# Altium PCB slave.PcbDoc (part 2 of 7) (continued)
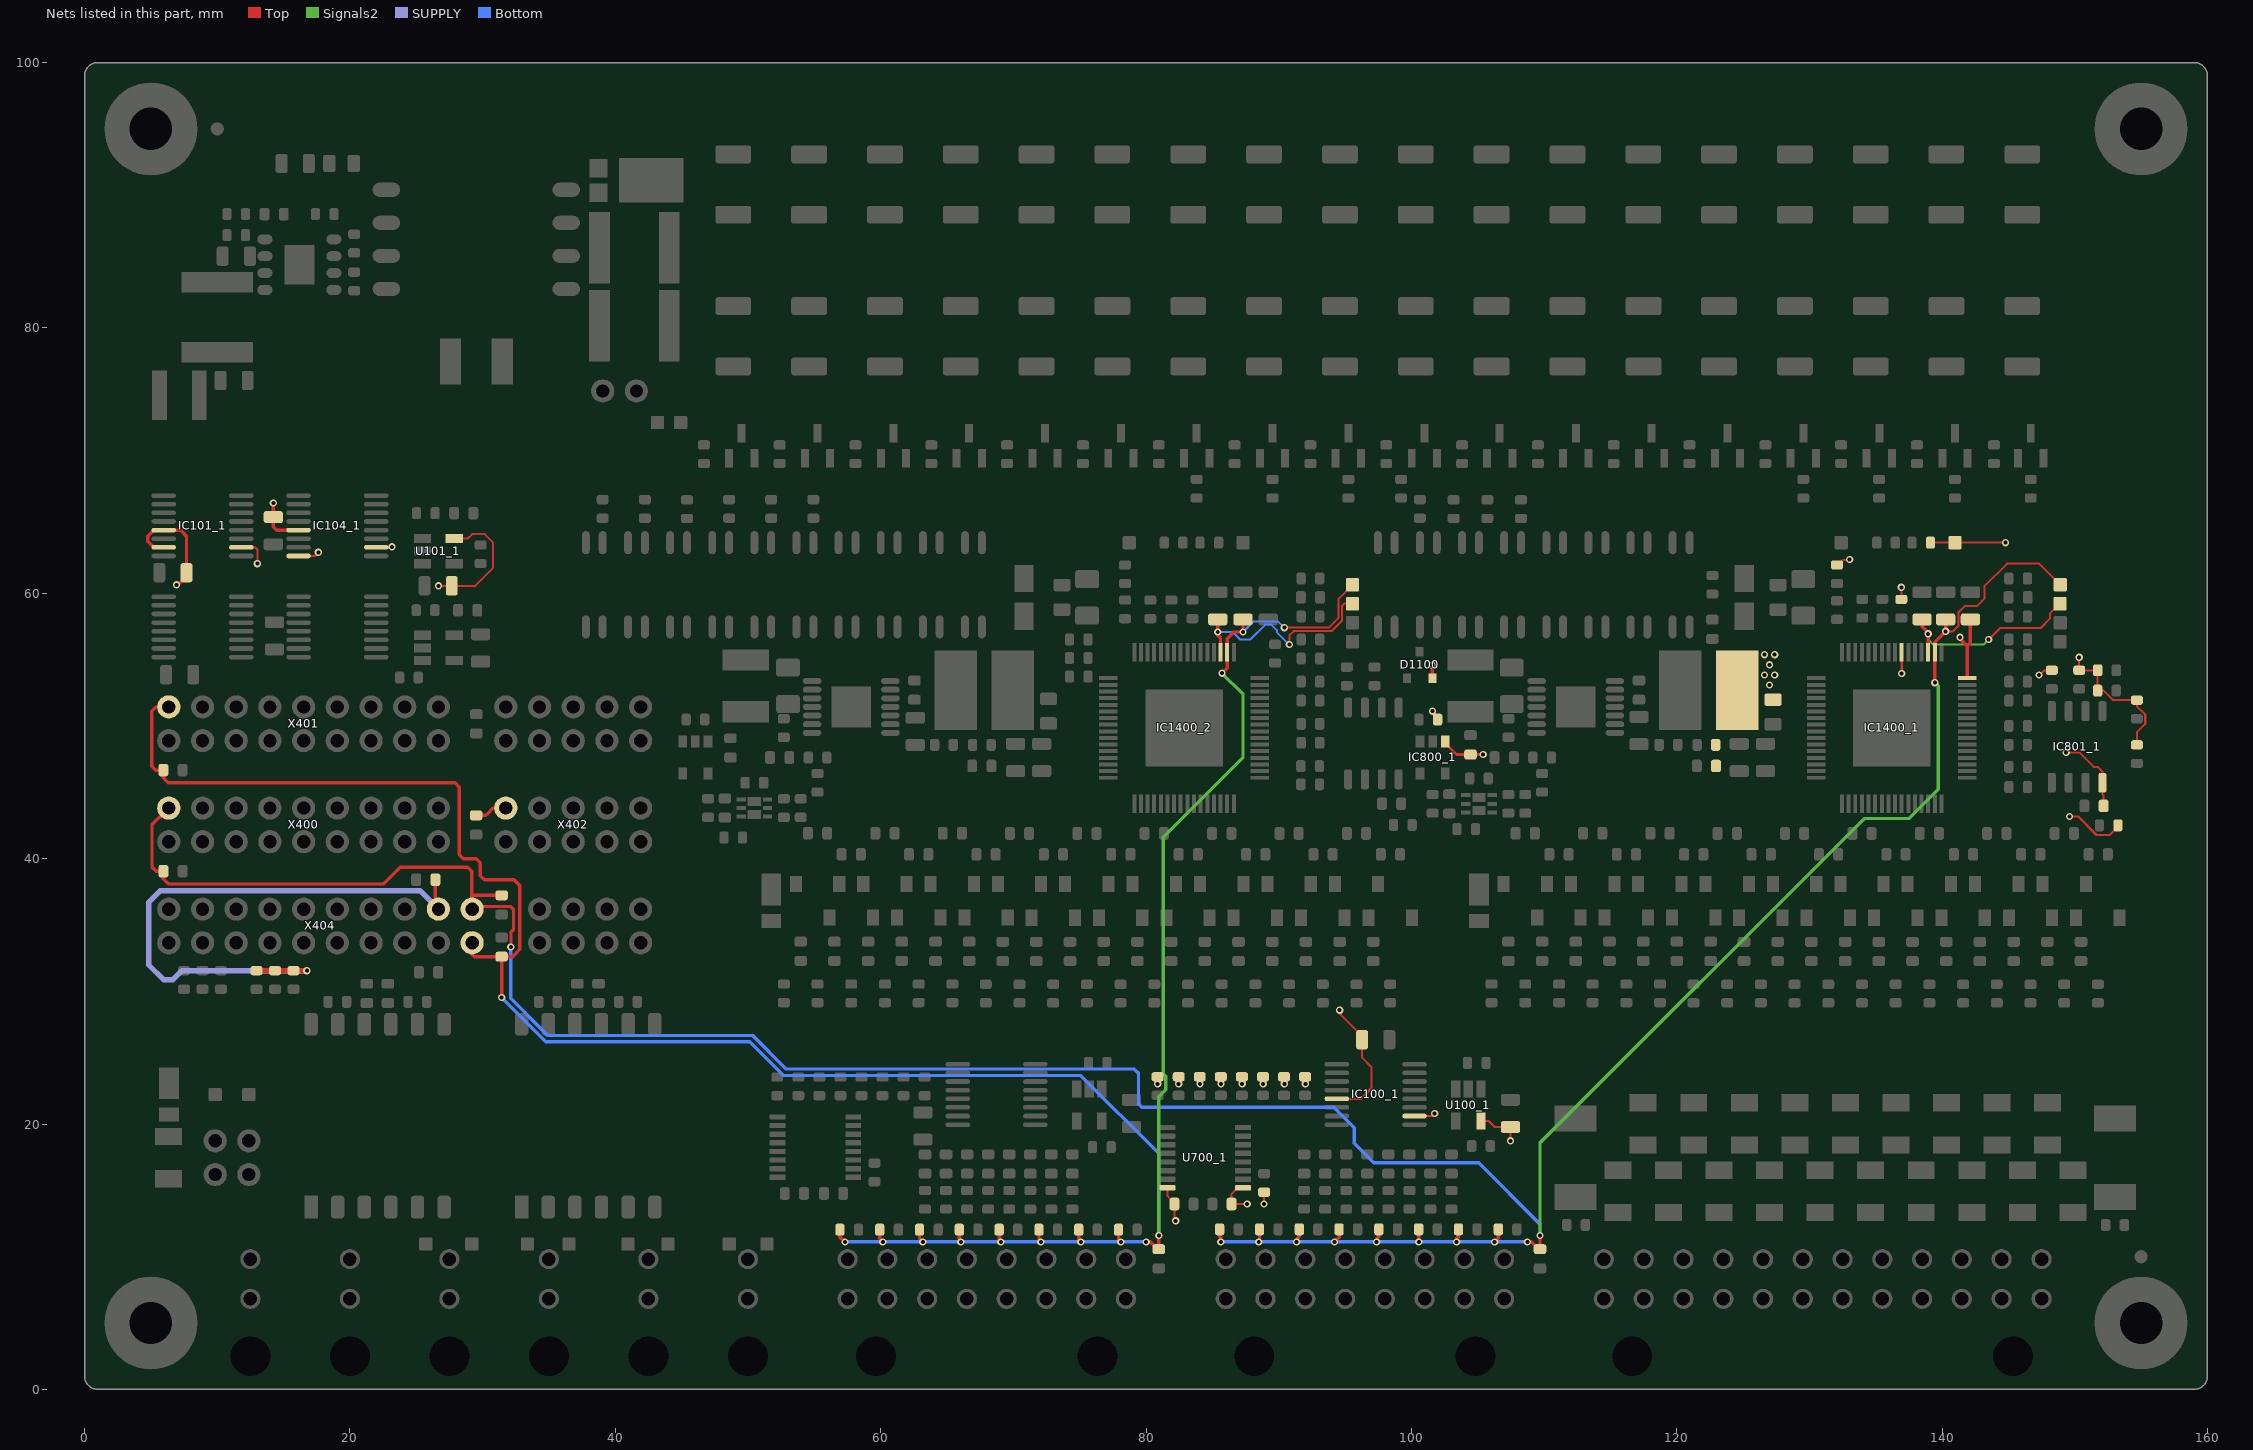
[diagram p6: the nets of this part, all layers, seen from the top]
## Part data (continued)
IC1400_1 IC1400_2: "18 Cell Multicell Battery Monitor, -40 to 125 degC, Pb-Free", Manufacturer="Linear Technology", Operating Temperature="-40°C - +125°C", PartNumber=LTC6811HG-1#PBF, PnP Package=QFP-64, Supplier Part Number 1=LTC6813HLWE-1#3ZZPBF-ND, Automotive Qualified=True, Battery Chemistry="Li-Ion, Li-Polymer, NiMH", ComponentLink1Description=Datasheet, ComponentLink1URL=http://www.linear.com/docs/59387, ComponentLink2Description=Datasheet, ComponentLink2URL=http://cds.linear.com/docs/en/datasheet/680412f.pdf, ComponentLink3Description="Package Specification", ComponentLink3URL=http://cds.linear.com/docs/en/packaging/05081887_0_G48.pdf, Mounting Technology="Surface Mount", Number of Cells="> 1000 V of stacked Li-Ion cells", PackageDescription="48-Pin Plastic SSOP, Body 12.8 x 5.3 mm, Pitch 0.5 mm", PackageReference=G-48, PackageVersion="Rev. Ã˜, 01/2011", Part Name=LTC6813HLWE-1#3ZZPBF, Part Number=LTC6813HLWE-1#3ZZPBF, RoHS=TRUE, Supplier 1=Digikey, Type of Charger="Battery Stack Monitor", Vin Max(V)=60
L600_1 L600_2: library part TYS6045221M-10, "Power Inductor", Manufacturer="Laird-Signal Integrity Products", Operating Temperature="-55°C - +150°C", Rated Current=590mA, Saturation Current=700mA, Supplier Part Number 1=240-2742-1-ND, Automotive Qualified=True, ComponentLink1Description=Datasheet, ComponentLink1URL=http://assets.lairdtech.com/home/brandworld/files/TYS6045221M-10.pdf, Inductance=220µH, Part Number=TYS6045221M-10, Supplier 1=Digikey
L900: library part CMP-1354-00028-1, "WE-LQS SMD Power Inductor, L=10 µH", Inductance="10 ÂµH", Manufacturer="Wuerth Elektronik", ComponentLink1Description="Manufacturer URL", ComponentLink1URL=http://www.we-online.com, ComponentLink2Description=Datasheet, ComponentLink2URL=http://katalog.we-online.de/pbs/datasheet/74404042100.pdf, PackageReference="WE-LQS 4018", PartNumber=74404042100
LD1400_1 LD1400_2: library part LED_0603_green_AECQ, "TLMG1100-GS08", Breakdown Voltage=5V, Continuous Forward Current=20mA, Forward Voltage @ 20mA=2.1V, Manufacturer=Vishay, Operating Temperature="-40°C - 100°C", PnP Package=LED_0603, Supplier Part Number 1=2293494, Automotive Qualified=True, Color=green, ComponentLink1Description=Datasheet, ComponentLink1URL=http://www.farnell.com/datasheets/2049164.pdf, Part Number=LED_0603_green_AECQ, Supplier 1=Farnell, Supplier 2=Digikey, Supplier Part Number 2=751-1165-1-ND
Q600_1 Q600_2: "Dual NPN/PNP Transistor", Manufacturer=Nexperia, Maximum Continous Drain Current (25°C)=1A, Maximum Drain-Source Voltage=120V, Operating Temperature="-55°C - +150°C", Part Name="DUAL PNP/NPN", Automotive Qualified=True, ComponentLink1Description=Datasheet, ComponentLink1URL=https://assets.nexperia.com/documents/data-sheet/PBSS4112PANP.pdf, Part Number=PBSS4112PANP, Supplier 2=Digikey, Supplier 3=Mouser, Supplier Part Number 2=1727-1068-1-ND, Supplier Part Number 3=771-PBSS4112PANP
R100_1 R100_2 R101_1 R101_2 R102_1 R102_2 R103_1 R103_2 R104_1 R104_2 R105_1 R105_2 R106_1 R106_2 R107_1 R107_2 R601_1 R601_2 R605_1 R605_2 R607_1 R607_2 R700_1 R700_2 R701_1 R701_2 R702_1 R702_2 R703_1 R703_2 R704_1 R704_2 R705_1 R705_2 R706_1 R706_2 R707_1 R707_2 R708_1 R708_2 R800_1 R800_2 R801_1 R801_2 R905 R1118 R1421_1 R1421_2 R1422_1 R1422_2 R1423_1 R1423_2 R1424_1 R1424_2 R1425_1 R1425_2 R1426_1 R1426_2 R1427_1 R1427_2: library part gen_R_10k_0603, "SMD Resistor 10k 0603", Case EIA=0603, Case Metric=1608, Maximum Working Voltage=75V, Operating Temperature="-55°C - +155°C", PnP Package=R_0603, Power=0.1W, Supplier Part Number 1=2073349, Tolerance=1%, Automotive Qualified=True, Part Number=gen_R_10k_0603, PnP Value=10k, Resistance=10k, Series="E24, E96", Supplier 1=Farnell
R108_1 R108_2 R109_1 R109_2 R112_1 R112_2 R113_1 R113_2 R114_1 R114_2 R115_1 R115_2 R116_1 R116_2 R117_1 R117_2 R118_1 R118_2 R119_1 R119_2: library part gen_R_100R_0603, "SMD Resistor 100R 0603", Case EIA=0603, Case Metric=1608, Maximum Working Voltage=75V, Operating Temperature="-55°C - +155°C", PnP Package=R_0603, Power=0.1W, Supplier Part Number 1=P100HCT-ND, Tolerance=1%, Automotive Qualified=True, Part Number=gen_R_100R_0603, PnP Value=100R, Resistance=100R, Series="E24, E96", Supplier 1=Digikey
R110_1 R110_2 R111_1 R111_2 R609_1 R609_2 R610_1 R610_2 R1406_1 R1406_2 R1407_1 R1407_2 R1408_1 R1408_2 R1409_1 R1409_2 R1410_1 R1410_2 R1411_1 R1411_2 R1412_1 R1412_2 R1413_1 R1413_2 R1414_1 R1414_2 R1415_1 R1415_2 R1416_1 R1416_2 R1417_1 R1417_2 SJ300 SJ301: library part gen_R_0R_0603, "SMD Resistor 0R 0603", Case EIA=0603, Case Metric=1608, Maximum Working Voltage=75V, Operating Temperature="-55°C - +155°C", PnP Package=R_0603, Power=0.1W, Supplier Part Number 1=2616580, Automotive Qualified=True, Part Number=gen_R_0R_0603, PnP Value=0R, Resistance=0R, Series=Jumper, Supplier 1=Farnell
R600_1 R600_2 R606_1 R606_2: library part gen_R_124k_0603, "SMD Resistor 124k 0603", Case EIA=0603, Case Metric=1608, Maximum Working Voltage=75V, Operating Temperature="-55°C - +155°C", PnP Package=R_0603, Power=0.1W, Supplier Part Number 1=2138508, Tolerance=1%, Automotive Qualified=True, Part Number=gen_R_124k_0603, PnP Value=124k, Resistance=124k, Series=E96, Supplier 1=Farnell
R602_1 R602_2: library part gen_R_1k5_0603, "SMD Resistor 1k5 0603", Case EIA=0603, Case Metric=1608, Maximum Working Voltage=75V, Operating Temperature="-55°C - +155°C", PnP Package=R_0603, Power=0.1W, Supplier Part Number 1=2616745, Tolerance=1%, Automotive Qualified=True, Part Number=gen_R_1k5_0603, PnP Value=1k5, Resistance=1k5, Series="E24, E96", Supplier 1=Farnell
R603_1 R603_2: library part gen_R_1k_0603, "SMD Resistor 1k 0603", Case EIA=0603, Case Metric=1608, Maximum Working Voltage=75V, Operating Temperature="-55°C - +155°C", PnP Package=R_0603, Power=0.1W, Supplier Part Number 1=1652848, Tolerance=1%, Automotive Qualified=True, Part Number=gen_R_1k_0603, PnP equipped=x, PnP Value=1k, Resistance=1k, Series="E24, E96", Supplier 1=Farnell
R604_1 R604_2: library part gen_R_1R_0805, "SMD Resistor 1R 0805", Case EIA=0805, Case Metric=2012, Maximum Working Voltage=150V, Operating Temperature="-55°C - +155°C", PnP Package=R_0805, Power=0.125W, Supplier Part Number 1=2616757, Tolerance=1%, Automotive Qualified=True, Part Number=gen_R_1R_0805, PnP Value=1R, Resistance=1R, Series="E24, E96", Supplier 1=Farnell
R608_1 R608_2: library part gen_R_68k_0603, "SMD Resistor 68k 0603", Case EIA=0603, Case Metric=1608, Maximum Working Voltage=75V, Operating Temperature="-55°C - +155°C", PnP Package=R_0603, Power=0.1W, Tolerance=1%, Automotive Qualified=False, Part Number=gen_R_68k_0603, PnP Value=68k, Resistance=68k, Series=E24
R900: library part gen_R_390k_0603, "SMD Resistor 390k 0603", Case EIA=0603, Case Metric=1608, Maximum Working Voltage=75V, Operating Temperature="-55°C - +155°C", PnP Package=R_0603, Power=0.1W, Supplier Part Number 1=2303278, Tolerance=1%, Automotive Qualified=True, Part Number=gen_R_390k_0603, PnP Value=390k, Resistance=390k, Series=E24, Supplier 1=Farnell
R901: library part gen_R_86k6_0603, "SMD Resistor 86k6 0603", Case EIA=0603, Case Metric=1608, Maximum Working Voltage=75V, Operating Temperature="-55°C - +155°C", PnP Package=R_0603, Power=0.1W, Supplier Part Number 1=2059490, Tolerance=1%, Automotive Qualified=True, Part Number=gen_R_86k6_0603, PnP Value=86k6, Resistance=86k6, Series=E96, Supplier 1=Farnell
R902: library part gen_R_115k_0603, "SMD Resistor 115k 0603", Case EIA=0603, Case Metric=1608, Maximum Working Voltage=75V, Operating Temperature="-55°C - +155°C", PnP Package=R_0603, Power=0.1W, Supplier Part Number 1=2073367, Tolerance=1%, Automotive Qualified=True, Part Number=gen_R_115k_0603, PnP Value=115k, Resistance=115k, Series=E96, Supplier 1=Farnell
R903: library part gen_R_39R_0805, "SMD Resistor 39R 0805", Case EIA=0805, Case Metric=2012, Maximum Working Voltage=150V, Operating Temperature="-55°C - +155°C", PnP Package=R_0805, Power=0.125W, Supplier Part Number 1=1750736, Tolerance=1%, Automotive Qualified=True, Part Number=gen_R_39R_0805, PnP Value=39R, Resistance=39R, Series=E24, Supplier 1=Farnell
R904: library part gen_R_220k_0603, "SMD Resistor 220k 0603", Case EIA=0603, Case Metric=1608, Maximum Working Voltage=75V, Operating Temperature="-55°C - +155°C", PnP Package=R_0603, Power=0.1W, Tolerance=1%, Automotive Qualified=False, Part Number=gen_R_220k_0603, PnP Value=220k, Resistance=220k, Series=E24
R1100 R1101 R1102 R1103 R1104 R1105 R1106 R1107 R1108 R1109 R1110 R1111 R1112 R1113 R1114 R1115 R1116 R1117: library part gen_R_150R_0603, "SMD Resistor 150R 0603", Case EIA=0603, Case Metric=1608, Maximum Working Voltage=75V, Operating Temperature="-55°C - +155°C", PnP Package=R_0603, Power=0.1W, Supplier Part Number 1=2303076, Tolerance=1%, Automotive Qualified=True, Part Number=gen_R_150R_0603, PnP Value=150R, Resistance=150R, Series="E24, E96", Supplier 1=Farnell
R1300_1 R1300_2 R1301_1 R1301_2 R1302_1 R1302_2 R1303_1 R1303_2 R1304_1 R1304_2 R1305_1 R1305_2 R1306_1 R1306_2 R1307_1 R1307_2 R1308_1 R1308_2 R1309_1 R1309_2 R1310_1 R1310_2 R1311_1 R1311_2 R1312_1 R1312_2 R1313_1 R1313_2 R1314_1 R1314_2 R1315_1 R1315_2 R1316_1 R1316_2 R1317_1 R1317_2 R1318_1 R1318_2: library part gen_R_100R_0603, "SMD Resistor 100R 0603", Case EIA=0603, Case Metric=1608, Maximum Working Voltage=75V, Operating Temperature="-55°C - +155°C", PnP Package=R_0603, Power=0.1W, Supplier Part Number 1=2303059, Tolerance=1%, Automotive Qualified=True, Part Number=gen_R_100R_0603, PnP Value=100R, Resistance=100R, Series="E24, E96", Supplier 1=Farnell
R1400_1 R1400_2 R1419_1 R1419_2 R1420_1 R1420_2: library part gen_R_1k2_0603, "SMD Resistor 1k2 0603", Case EIA=0603, Case Metric=1608, Maximum Working Voltage=75V, Operating Temperature="-55°C - +155°C", PnP Package=R_0603, Power=0.1W, Supplier Part Number 1=2073370, Tolerance=1%, Automotive Qualified=True, Part Number=gen_R_1k2_0603, PnP Value=1k2, Resistance=1k2, Series=E24, Supplier 1=Farnell
R1401_1 R1401_2: library part gen_R_100R_0805, "SMD Resistor 100R 0805", Case EIA=0805, Case Metric=2012, Maximum Working Voltage=150V, Operating Temperature="-55°C - +155°C", PnP Package=R_0805, Power=0.125W, Supplier Part Number 1=1469862, Tolerance=1%, Automotive Qualified=True, Part Number=gen_R_100R_0805, PnP Value=100R, Resistance=100R, Series="E24, E96", Supplier 1=Farnell
R1402_1 R1402_2: library part gen_R_820R_0603, "SMD Resistor 820R 0603", Case EIA=0603, Case Metric=1608, Maximum Working Voltage=75V, Operating Temperature="-55°C - +155°C", PnP Package=R_0603, Power=0.1W, Supplier Part Number 1=1469841, Tolerance=1%, Automotive Qualified=True, Part Number=gen_R_820R_0603, PnP Value=820R, Resistance=820R, Series=E24, Supplier 1=Farnell
R1403_1 R1403_2: library part gen_R_270R_0603, "SMD Resistor 270R 0603", Case EIA=0603, Case Metric=1608, Maximum Working Voltage=75V, Operating Temperature="-55°C - +155°C", PnP Package=R_0603, Power=0.1W, Supplier Part Number 1=2141320, Tolerance=1%, Automotive Qualified=True, Part Number=gen_R_270R_0603, PnP Value=270R, Resistance=270R, Series=E24, Supplier 1=Farnell
R1404_1 R1404_2: library part gen_R_1M_0603, "SMD Resistor 1M 0603", Case EIA=0603, Case Metric=1608, Maximum Working Voltage=75V, Operating Temperature="-55°C - +155°C", PnP Package=R_0603, Power=0.1W, Supplier Part Number 1=1469746, Tolerance=1%, Automotive Qualified=True, Part Number=gen_R_1M_0603, PnP Value=1M, Resistance=1M, Series="E24, E96", Supplier 1=Farnell
R1405_1 R1405_2 R1418_1 R1418_2: library part gen_R_120R_0603, "SMD Resistor 120R 0603", Case EIA=0603, Case Metric=1608, Maximum Working Voltage=75V, Operating Temperature="-55°C - +155°C", PnP Package=R_0603, Power=0.1W, Supplier Part Number 1=1652832, Tolerance=1%, Automotive Qualified=True, Part Number=gen_R_120R_0603, PnP Value=120R, Resistance=120R, Series=E24, Supplier 1=Farnell
R1500 R1501 R1502 R1503 R1504 R1505 R1506 R1507 R1508 R1509 R1510 R1511 R1518 R1519 R1520 R1521 R1522 R1523 R1524 R1525 R1526 R1527 R1528 R1529 R1536 R1537 R1538 R1539 R1540 R1541 R1542 R1543 R1544 R1545 R1546 R1547: library part gen_R_130R_2010, "SMD Resistor 130R 2010", Case EIA=2010, Case Metric=5025, Maximum Working Voltage=400V, Operating Temperature="-55°C - +155°C", PnP Package=R_2010, Power=0.75W, Supplier Part Number 1=1892735, Tolerance=5%, Automotive Qualified=True, Part Number=gen_R_130R_2010, PnP Value=130R, Resistance=130R, Series="E24, E96", Supplier 1=Farnell
R1512 R1513 R1514 R1515 R1516 R1517 R1530 R1531 R1532 R1533 R1534 R1535 R1548 R1549 R1550 R1551 R1552 R1553: library part gen_R_3k3_0603, "SMD Resistor 3k3 0603", Case EIA=0603, Case Metric=1608, Maximum Working Voltage=75V, Operating Temperature="-55°C - +155°C", PnP Package=R_0603, Power=0.1W, Supplier Part Number 1=2303173, Tolerance=1%, Automotive Qualified=True, Part Number=gen_R_3k3_0603, PnP Value=3k3, Resistance=3k3, Series=E24, Supplier 1=Farnell
T1500 T1501 T1502 T1503 T1504 T1505 T1506 T1507 T1508 T1509 T1510 T1511 T1512 T1513 T1514 T1515 T1516 T1517: library part CMP-1259-00090-1, "P-Channel Trench MOSFET, -20 V, -2 A, -55 to 150 degC, 3-Pin SOT23, Tape and Reel", Manufacturer="NXP Semiconductors", Automotive Qualified=Y, Channel Type=P, Code_JEDEC=TO-236AB, ComponentLink1Description="Manufacturer URL", ComponentLink1URL=http://www.nxp.com/, ComponentLink2Description=Datasheet, ComponentLink2URL=http://www.nxp.com/documents/data_sheet/NX2301P.pdf, ComponentLink3Description="Package Specification", ComponentLink3URL=http://www.nxp.com/documents/outline_drawing/sot023_po.pdf, DatasheetVersion="Rev. 1", ID [max] (A)=-2, IDM [max] (A)=-6, Mounting Technology="Surface Mount", PackageDescription="3-Pin Small Outline Transistor Package, Body 2.9 x 1.3 mm, Pitch 0.95 mm", PackageReference=SOT23, PackageVersion="06-03-16, 03/2006", Packing="Tape & Reel", PartNumber=NX2301P,215, VDS [max] (V)=-20, VGSth [typ] (V)=-0.75
TP900 TP901 TP902 TP903 TP1400_1 TP1400_2 TP1401_1 TP1401_2 TP1402_1 TP1402_2 TP1403_1 TP1403_2 TP1404_1 TP1404_2 TP1405_1 TP1405_2 TP1406_1 TP1406_2 TP1407_1 TP1407_2 TP1408_1 TP1408_2 TP1409_1 TP1409_2: "Testpoint, square", Part Number=Testpoint_Square
TR900: "MID-FLYLT Flyback Transformers for Linear Technology", Manufacturer="Würth Elektronik", Supplier Part Number 1=1297-1136-1-ND, Automotive Qualified=False, ComponentLink1Description=Datasheet, ComponentLink1URL=http://katalog.we-online.de/ctm/datasheet/750313457.pdf, ComponentLink2Description=Website, ComponentLink2URL=http://katalog.we-online.de/en/ctm/MID-FLYLT/750313457, Part Number=WE_750313457, Supplier 1=Digikey
TR1400_1 TR1400_2: "Pulse HM2102NL BMS Transformer", Manufacturer=Pulse, Operating Temperature="-40°C - +125°C", Supplier Part Number 1=673-HM2102NL, Automotive Qualified=True, ComponentLink1Description=Datasheet, ComponentLink1URL=https://www.mouser.com/ds/2/336/HM2102NL-1218600.pdf, Part Number=HM2102NL, Supplier 1=Mouser, Supplier 2=Digikey, Supplier Part Number 2=1840-1034-1-ND
U100_1 U100_2 U101_1 U101_2: library part CMP-0384-01512-2, "Single Channel RRIO Operational Amplifier, 2.5 MHz BW, 1 V/us SR, Industrial, 5-pin SOT23 (RJ-5), Reel", Amplifiers Per Package=1, Generic Part Number=AD8628, Input Bias Current=30pA, Input Offset Voltage=1uV, Manufacturer="Analog Devices", Automotive Qualified=Yes, Code_JEDEC=MO-178-AA, ComponentLink1Description="Manufacturer URL", ComponentLink1URL=http://www.analog.com/en/index.html, ComponentLink2Description=Datasheet, ComponentLink2URL=http://www.analog.com/static/imported-files/data_sheets/AD8628_8629_8630.pdf, ComponentLink3Description="Package Specification", ComponentLink3URL=http://www.analog.com/static/imported-files/packages/PKG_PDF/SOT-23(RJ)/RJ_5.pdf, ComponentLink4Description="Reference Circuit", ComponentLink4URL=http://www.analog.com/en/all-operational-amplifiers-op-amps/operational-amplifiers-op-amps/ad8628/products/product.html#product-recommendations, DatasheetVersion="Rev. I", Iq/Amp=1.1mA, Mounting Technology="Surface Mount", PackageDescription="5-Pin Small Outline Transistor Package, Body 2.9 x 1.6 mm, Pitch 0.95 mm", PackageReference=RJ-5, PackageVersion=121608-A, PartNumber=AD8628ARTZ-R2, RevisionNote="Reference Circuit URL fixed", Slew Rate=1V/us, Small Signal Bandwidth=2.5MHz, V Span Max=6V, V Span Min=2.7V
U600_1 U600_2: "Automotive DC/DC buck converter", Manufacturer="Texas Instruments", Operating Temperature="-40°C - +125°C", PnP Package=HTSSOP-14, Supplier Part Number 1=296-47791-1-ND, Automotive Qualified=True, Part Name=LM5161QPWPRQ1, Part Number=LM5161QPWPRQ1, Supplier 1=Digikey, Supplier 2=Mouser, Supplier Part Number 2=595-LM5161QPWPRQ1
U700_1 U700_2: library part CMP-0314-00338-2, "Low-Voltage 8-Bit I2C and SMBus I/O Expander, 1.65 to 5.5 V, -40 to 85 degC, 16-pin TSSOP (PW), Green (RoHS & no Sb/Br)", 5V Tolerant I/O=Yes, Manufacturer="Texas Instruments", Max Frequency(kHz)=400, # of I/Os=8, Code_JEDEC=MO-153, ComponentLink1Description=Datasheet, ComponentLink1URL=http://www.ti.com/general/docs/lit/getliterature.tsp?genericPartNumber=TCA6408A&fileType=pdf, Configuration Registers=Yes, DatasheetVersion=SCPS192C, Eco-Plan="Green (RoHS & no Sb/Br)", fSCLK(Max)(MHz)=400, I2C Address="0100 00x", Interrupt Output=Yes, Low Power=Yes, Mounting Technology="Surface Mount", No. of Outputs=8, PackageDescription="16-Pin Plastic Thin Small Outline Package 5 x 4.4 mm Body ,0.65 mm Pitch", PackageReference=PW0016A, PackageVersion="revG, Feb-2011", PartNumber=TCA6408APWR, Push-Pull I/O Type=Yes, Reset Input=Yes, SubFamily="I2C IO Expander", VCC(Max)(V)=5.5, VCC(Min)(V)=1.65, Vcc range(V)="1.65 to 5.5"
U1100 U1101 U1102 U1103 U1104 U1105 U1106 U1107 U1108 U1109 U1110 U1111 U1112 U1113 U1114 U1115 U1116 U1117: library part ACPL-217-56BE, "Optocoupler, Transistor Output, 1 Channel", Manufacturer="Broadcom Limited", Operating Temperature="-55°C - +110°C", Supplier Part Number 1=1602623, Automotive Qualified=False, ComponentLink1Description=Datenblatt, ComponentLink1URL=http://www.farnell.com/datasheets/45634.pdf, Part Name=ACPL-217, Part Number=ACPL-217-56BE, Supplier 1=Farnell
X200: "Micro-Fit 3.0 Right Angle Header, 3.00mm Pitch, Dual Row, 24 Circuits, with Snap-in Plastic Peg PCB Lock, Tin, Glow Wire Capable, Black, 43045-2400", Manufacturer=Molex, Operating Temperature="-40°C - +105°C", Part Name=MicroFit, Rated Current=8.5A, Rated Voltage=600V, Supplier Part Number 1=1012245, Automotive Qualified=False, Circuits=24, Part Number=molex_microfit_3_12x2_THT, Supplier 1=Farnell
X201 X202: "Micro-Fit 3.0 Right Angle Header, 3.00mm Pitch, Dual Row, 16 Circuits, with Snap-in Plastic Peg PCB Lock, Tin, Glow Wire Capable, Black, 43045-1600", Manufacturer=Molex, Operating Temperature="-40°C - +105°C", Part Name=MicroFit, Rated Current=8.5A, Rated Voltage=600V, Supplier Part Number 1=9961380, Automotive Qualified=False, Circuits=16, Part Number=molex_microfit_3_08x2_THT, Supplier 1=Farnell
X400 X401: "Standard Pinheader, THD, gerade, 2.54mm, 2-reihig", Operating Temperature="-40 °C - +105 °C", Part Name=PinHeader, Rated Current=3A, Rated Voltage=250V, Supplier Part Number 1=2025256, Automotive Qualified=False, Circuits=18, Part Number=gen_pinheader_2.54_2x9, Supplier 1=Farnell
X402 X403: "Standard Pinheader, THD, gerade, 2.54mm, 2-reihig", Operating Temperature="-40 °C - +105 °C", Part Name=PinHeader, Rated Current=3A, Rated Voltage=250V, Supplier Part Number 1=2578720, Automotive Qualified=False, Circuits=10, Part Number=gen_pinheader_2.54_2x5, Supplier 1=Farnell
X404: "Standard Pinheader, THD, gerade, 2.54mm, 2-reihig", Operating Temperature="-40 °C - +105 °C", Part Name=PinHeader, Rated Current=3A, Rated Voltage=250V, Supplier Part Number 1=2779676, Automotive Qualified=False, Circuits=20, Part Number=gen_pinheader_2.54_2x10, Supplier 1=Farnell
X405: "Standard Pinheader, THD, gerade, 2.54mm, 2-reihig", Operating Temperature="-40 °C - +105 °C", Part Name=PinHeader, Rated Current=3A, Rated Voltage=250V, Supplier Part Number 1=2856692, Automotive Qualified=False, Circuits=8, Part Number=gen_pinheader_2.54_2x4, Supplier 1=Farnell
X500 X501 X502 X503 X1001 X1002: "Micro-Fit 3.0 Right Angle Header, 3.00mm Pitch, Dual Row, 2 Circuits, with Snap-in Plastic Peg PCB Lock, Tin, Glow Wire Capable, Black, 43045-0200", Manufacturer=Molex, Operating Temperature="-40°C - +105°C", Part Name=MicroFit, Rated Current=8.5A, Rated Voltage=600V, Supplier Part Number 1=1012251, Automotive Qualified=False, Circuits=2, Part Number=molex_microfit_3_01x2_THT, Supplier 1=Farnell
X900: "Standard Pinheader, THD, gerade, 2.54mm", Operating Temperature="-40 °C - +105 °C", Part Name=PinHeader, Rated Current=3A, Rated Voltage=250V, Supplier Part Number 1=2025248, Automotive Qualified=False, Circuits=2, Part Number=gen_pinheader_2.54_2, Supplier 1=Farnell
X1000: "Board-To-Board Connector, Vertical, 2.54 mm, 4 Contacts, Header, TSW Series, Through Hole, 2 Rows", Manufacturer=Samtec, Operating Temperature="-55°C - +125°C", Part Name=TSW-102-07-G-D, Rated Voltage="500V AC mated with SSW", Supplier Part Number 1=2025248, Automotive Qualified=False, Circuits=4, ComponentLink1Description=Datasheet, ComponentLink1URL=http://www.farnell.com/datasheets/1992055.pdf, Part Number=samtec_TSW-102-07-G-D, Supplier 1=Farnell
Z1300_1 Z1300_2 Z1301_1 Z1301_2 Z1302_1 Z1302_2 Z1303_1 Z1303_2 Z1304_1 Z1304_2 Z1305_1 Z1305_2 Z1306_1 Z1306_2 Z1307_1 Z1307_2 Z1308_1 Z1308_2 Z1309_1 Z1309_2 Z1310_1 Z1310_2 Z1311_1 Z1311_2 Z1312_1 Z1312_2 Z1313_1 Z1313_2 Z1314_1 Z1314_2 Z1315_1 Z1315_2 Z1316_1 Z1316_2 Z1317_1 Z1317_2: library part CMP-1060-00434-1, "Zener Voltage Regulator, 500 mW, 2-Pin SOD-123, Pb-Free, Tape and Reel", Manufacturer="On Semiconductor", ComponentLink1Description="Manufacturer URL", ComponentLink1URL=http://www.onsemi.com/, ComponentLink2Description=Datasheet, ComponentLink2URL=http://www.onsemi.com/pub_link/Collateral/MMSZ4678T1-D.PDF, ComponentLink3Description="Package Specification", ComponentLink3URL=http://www.onsemi.com/pub_link/Collateral/425-04.PDF, DatasheetVersion="Rev. 9", Mounting Technology="Surface Mount", PackageDescription="2-Pin SOD, Body 1.6 x 2.69 mm", PackageReference=SOD-123-2-425-04, PackageVersion="Rev. G, 10/2009", Packing="Tape and Reel", PartNumber=MMSZ4692T1G, P Max (W)=0.5, RoHS=Pb-Free, VZ Typ (V)=6.8

## Via types
v1: diameter 0.55, hole 0.3, Top to Bottom, tented both sides, 2991 vias
v2: diameter 0.75, hole 0.5, Top to Bottom, tented both sides, 22 vias
v3: diameter 0.65, hole 0.4, Top to Bottom, tented both sides, 16 vias

## Nets (pads, with @x,y where several pads share a name; then routed paths per layer and width w, separated by ;. In a path a pad name is that pad's centre, name@x,y a point inside that pad or via, vN(x,y) a via of type N, cw(c..) or ccw(c..) an arc to the next point about the centre after c; other vN are vias at no path point)
+3.0V_VREF1_1: C1403_1.2 IC1400_1.51 TP1401_1.1 | length 14.6
  Top w0.152: v1(143.51,56.515) 144.369,57.373 147.417,57.373 148.128,58.085 148.128,58.455 TP1401_1.1@148.887,59.214
  Top w0.254: C1403_1.2@138.493,58.03 138.493,57.478 138.958,57.014 v1(138.958,56.94) IC1400_1.51@138.958,55.598
  Signals2 w0.152: v1(138.958,56.94) 138.958,56.515 139.343,56.129 143.124,56.129 v1(143.51,56.515)
+3.0V_VREF1_2: C1403_2.2 IC1400_2.51 TP1401_2.1 | length 16.5
  Top w0.152: v1(90.805,56.134) 90.805,56.832 91.123,57.15 93.98,57.15 94.774,57.944 94.774,59.055 94.932,59.214 TP1401_2.1@95.567,59.214
  Top w0.254: C1403_2.2@85.407,58.03 v1(85.407,57.083) 85.407,56.84 85.618,56.63 IC1400_2.51@85.618,55.547
  Bottom w0.152: v1(85.407,57.083) 86.528,57.083 87.083,56.529 87.879,56.529 88.988,57.638 89.447,57.638 89.87,57.215 89.87,57.069 v1(90.805,56.134)
+3.0V_VREF2_0: C100_1.2 C401.2 C405.2 C1402_1.2 IC1400_1.50 R100_1.2 R101_1.2 R102_1.2 R103_1.2 R104_1.2 R105_1.2 R106_1.2 R107_1.2 TP1402_1.1 X400.17 X404.1 | length 241.1
  Top w0.152: C100_1.2@109.596,10.567 C100_1.2@109.696,10.567 ; v1(140.272,57.13) 140.823,57.13 141.227,57.534 141.227,58.55 141.732,59.055 142.643,59.055 143.192,59.604 143.192,60.518 144.905,62.23 147.32,62.23 TP1402_1.1@148.907,60.642
  Top w0.254: C401.2@5.802,39.052 5.397,39.052 5.08,39.37 5.08,42.545 X400.17@6.35,43.815 ; C401.2@5.943,39.052 5.943,38.476 6.331,38.088 22.522,38.088 23.792,39.358 28.872,39.358 29.19,39.04 29.19,37.453 29.192,37.306 ; C405.2@31.432,37.237 29.261,37.237 29.192,37.306 ; v1(32.127,33.337) 32.136,33.347 32.136,34.448 32.329,34.641 32.329,36.169 32.107,36.391 29.21,36.391 X404.1@29.21,36.195 29.192,37.306 ; R100_1.2@85.553,12.061 85.553,11.509 85.64,11.422 v1(85.64,11.113) ; v1(88.497,11.113) 88.553,11.169 R101_1.2@88.553,12.061 ; v1(91.355,11.113) 91.355,11.311 91.553,11.509 R102_1.2@91.553,12.061 ; v1(94.212,11.113) 94.553,11.454 R103_1.2@94.553,12.061 ; v1(97.387,11.113) 97.387,11.343 97.553,11.509 R104_1.2@97.553,12.061 ; R105_1.2@100.553,12.061 100.553,11.123 v1(100.562,11.113) ; v1(103.42,11.113) 103.42,11.376 103.553,11.509 R106_1.2@103.553,12.061 ; v1(106.277,11.113) 106.553,11.389 R107_1.2@106.553,12.061 ; v1(108.744,11.112) 109.051,11.112 C100_1.2@109.596,10.567 ; C100_1.2@109.696,10.567 v1(109.696,11.589) ; v1(139.457,53.265) 139.457,56.316 v1(140.272,57.13) 140.272,57.936 C1402_1.2@140.017,58.19
  Signals2 w0.254: v1(109.696,11.589) 109.696,18.574 134.144,43.021 137.477,43.021 139.7,45.244 139.7,53.023 v1(139.457,53.265)
  Bottom w0.254: v1(32.127,33.337) 32.127,29.468 34.925,26.67 50.369,26.67 52.896,24.143 79.105,24.143 79.435,23.812 79.435,21.531 79.693,21.272 79.9,21.272 92.234,21.273 94.139,21.273 95.696,19.715 95.696,18.541 97.172,17.066 105.075,17.066 109.696,12.445 v1(109.696,11.589) ; v1(85.64,11.113) v1(88.497,11.113) v1(91.355,11.113) v1(94.212,11.113) v1(97.387,11.113) v1(100.562,11.113) v1(103.42,11.113) v1(106.277,11.113) v1@108.902,11.113 ; v1(108.744,11.112) v1@108.901,11.112
+3.0V_VREF2_1: C100_2.2 C400.2 C406.2 C1402_2.2 IC1400_2.50 R100_2.2 R101_2.2 R102_2.2 R103_2.2 R104_2.2 R105_2.2 R106_2.2 R107_2.2 TP1402_2.1 X401.17 X404.2 | length 209
  Top w0.152: C100_2.2@80.863,10.567 C100_2.2@80.962,10.567 ; v1(90.424,57.404) 93.769,57.404 94.52,58.154 94.52,59.595 TP1402_2.1@95.567,60.642
  Top w0.254: X401.17@6.35,51.435 5.377,51.423 5.06,51.105 5.06,46.978 5.365,46.672 C400.2@5.943,46.672 5.943,46.096 6.319,45.72 6.667,45.72 27.92,45.708 28.237,45.39 28.237,40.31 28.555,39.993 29.507,39.993 29.825,39.675 29.825,38.723 30.142,38.405 32.365,38.405 32.793,37.977 32.803,33.553 32.803,33.158 32.258,32.613 C406.2@31.432,32.613 ; X404.2@29.21,33.655 29.19,32.777 29.355,32.613 C406.2@31.432,32.613 ; v1(31.432,29.527) C406.2@31.432,32.613 ; R100_2.2@56.931,12.035 56.931,11.483 57.302,11.112 v1(57.309,11.112) ; R101_2.2@59.931,12.035 59.931,11.347 v1(60.166,11.112) ; R102_2.2@62.931,12.035 62.931,11.364 v1(63.182,11.112) ; R103_2.2@65.932,12.035 65.932,11.221 v1(66.04,11.112) ; R104_2.2@68.932,12.035 68.932,11.237 v1(69.056,11.112) ; R105_2.2@71.932,12.035 71.932,11.253 v1(72.072,11.112) ; R106_2.2@74.932,12.035 74.932,11.27 v1(75.089,11.112) ; R107_2.2@77.932,12.035 77.932,11.286 v1(78.105,11.112) ; v1(80.01,11.112) 80.318,11.112 C100_2.2@80.863,10.567 ; C100_2.2@80.962,10.567 v1(80.962,11.589) ; v1(85.725,53.975) 86.118,54.368 IC1400_2.50@86.118,55.547 86.118,56.577 86.624,57.083 v1(87.312,57.083) C1402_2.2@87.312,58.03
  Signals2 w0.254: v1(80.962,11.589) 80.962,22.057 81.483,22.577 81.483,23.61 81.29,23.803 81.29,41.602 87.312,47.625 87.312,52.387 v1(85.725,53.975)
  Bottom w0.152: v1(87.312,57.083) 88.121,57.892 89.936,57.892 v1(90.424,57.404)
  Bottom w0.254: v1(31.432,29.527) 34.756,26.204 50.144,26.204 52.694,23.654 75.089,23.654 80.962,17.78 v1(80.962,11.589) ; v1(57.309,11.112) v1(60.166,11.112) v1(63.182,11.112) v1(66.04,11.112) v1(69.056,11.112) v1(72.072,11.112) v1(75.089,11.112) v1(78.105,11.112) v1(80.01,11.112)
+5.0V_VREG_0: C101_1.2 C102_1.2 C103_1.2 C104_1.2 C105_1.2 C402.2 C404.2 C604_1.2 C700_1.2 C701_1.2 C800_1.2 C801_1.2 C1401_1.2 D1100.2 IC100_1.2 IC100_1.13 IC101_1.2 IC101_1.13 IC101_1.15 IC104_1.2 IC104_1.13 IC104_1.16 IC800_1.1 IC801_1.8 IC1400_1.48 IC1400_1.55 L600_1.2 LD1400_1.2 R602_1.1 R604_1.1 R700_1.2 R701_1.2 R702_1.2 R703_1.2 R704_1.2 R705_1.2 R706_1.2 R707_1.2 R708_1.1 R800_1.2 R801_1.2 R1404_1.2 R1407_1.2 R1419_1.2 R1420_1.2 R1421_1.2 R1422_1.2 R1423_1.2 R1424_1.2 R1425_1.2 R1426_1.2 R1427_1.2 TP1403_1.1 U100_1.5 U101_1.5 U700_1.1 U700_1.16 X402.9 X404.3 | length 145.6
  Top w0.152: IC101_1.2@11.786,63.462 12.861,63.462 13.018,63.305 v1(13.018,62.23) ; IC104_1.16@16.125,62.813 17.344,62.813 v1(17.621,63.09) ; IC104_1.2@21.946,63.462 23.139,63.462 v1(23.177,63.5) ; v1(26.67,60.567) C104_1.2@27.675,60.567 29.452,60.567 30.797,61.912 30.797,63.817 30.162,64.453 29.21,64.453 28.89,64.133 U101_1.5@27.87,64.133 ; v1(80.877,23.032) R707_1.2@80.877,23.561 R707_1.2@80.877,23.611 ; U700_1.16@81.605,15.188 81.605,14.607 82.143,14.07 C700_1.2@82.143,13.97 v1@82.143,12.79 ; v1(82.465,23.032) R706_1.2@82.465,23.561 R706_1.2@82.465,23.611 ; R705_1.2@84.052,23.561 84.052,23.052 v1(84.072,23.032) ; R705_1.2@84.052,23.611 84.072,23.591 R705_1.2@84.072,23.561 ; R704_1.2@85.64,23.561 85.64,23.052 v1(85.66,23.032) ; R704_1.2@85.64,23.611 85.66,23.591 R704_1.2@85.66,23.561 ; R703_1.2@87.227,23.561 87.227,23.052 v1(87.247,23.032) ; R703_1.2@87.227,23.611 87.247,23.591 R703_1.2@87.247,23.561 ; U700_1.1@87.305,15.188 86.905,15.188 86.45,14.733 C701_1.2@86.45,13.97 v1(87.63,13.97) ; R702_1.2@88.815,23.561 88.815,23.052 v1(88.835,23.032) ; R702_1.2@88.815,23.611 88.835,23.591 R702_1.2@88.835,23.561 ; v1(88.9,13.97) R708_1.1@88.9,14.857 ; R701_1.2@90.402,23.561 90.402,23.052 v1(90.422,23.032) ; R701_1.2@90.402,23.611 90.422,23.591 R701_1.2@90.422,23.561 ; R700_1.2@91.99,23.561 91.99,23.052 v1(92.01,23.032) ; R700_1.2@91.99,23.611 92.01,23.591 R700_1.2@92.01,23.561 ; IC100_1.13@94.389,21.9 96.185,21.9 96.996,22.711 96.996,24.289 96.289,24.996 C101_1.2@96.289,26.352 96.289,26.628 94.595,28.321 v1(94.595,28.575) ; IC100_1.2@100.239,20.6 101.563,20.6 v1(101.759,20.796) 101.759,20.637 v1@101.721,20.6 ; v1(101.6,51.117) 101.6,51.01 101.577,50.988 101.982,50.582 R800_1.2@101.982,50.482 ; U100_1.5@105.249,20.231 105.816,20.231 106.276,19.771 C103_1.2@107.474,19.771 v1(107.474,18.732) ; R1407_1.2@132.08,62.136 132.18,62.136 132.551,62.507 132.992,62.507 v1(133.032,62.547) ; R1404_1.2@136.93,59.537 v1(136.93,60.452) ; LD1400_1.2@139.18,63.817 TP1403_1.1@140.97,63.817 v1(144.78,63.817) ; v1(147.3,53.848) 147.37,53.848 147.721,54.199 R1419_1.2@148.273,54.199 ; v1(149.352,48.006) 150.348,48.006 151.429,46.925 151.728,46.925 152.082,46.57 IC801_1.8@152.082,45.719 152.082,44.867 152.172,44.777 C800_1.2@152.172,43.974 ; v1(149.606,43.18) 150.243,43.18 151.64,41.783 152.628,41.783 153.259,42.413 R801_1.2@153.259,42.513 ; v1(150.336,55.178) R1420_1.2@150.336,54.199 R1424_1.2@151.732,54.199 R1423_1.2@151.732,52.665 152.183,52.665 152.604,52.244 152.903,51.944 R1422_1.2@154.686,51.944 154.686,51.493 155.314,50.866 155.314,50.158 154.686,49.53 R1421_1.2@154.686,48.579
  Top w0.203: IC800_1.1@102.55,48.825 102.55,48.7 103.398,47.853 C801_1.2@104.457,47.853 v1(105.41,47.853) ; v1(136.958,53.95) IC1400_1.55@136.958,55.547
  Top w0.254: IC101_1.15@5.965,63.463 5.215,63.463 4.763,63.915 4.763,64.31 5.215,64.763 IC101_1.13@5.965,64.763 7.235,64.763 7.68,64.317 C102_1.2@7.68,61.552 7.68,61.277 7.211,60.807 7.086,60.807 v1(6.921,60.642) ; v1(14.224,66.802) C105_1.2@14.224,65.743 14.224,65.024 14.485,64.763 IC104_1.13@16.125,64.763 ; C404.2@26.442,38.417 26.442,36.423 X404.3@26.67,36.195 ; C402.2@29.507,43.258 30.233,43.258 30.373,43.397 30.777,43.803 X402.9@31.75,43.815 ; D1100.2@101.577,53.598 v1(101.577,54.587) ; v1(141.351,56.683) 141.351,56.556 141.908,56 ; IC1400_1.48@141.908,53.597 141.908,56 ; C1401_1.2@142.13,58.03 142.13,56.222 141.908,56
  Top w0.406: R1427_1.2@12.954,31.561 R1426_1.2@14.351,31.561 R1425_1.2@15.748,31.561 v1(16.748,31.561) v1@16.764,31.561
  SUPPLY w0.406: v1(16.748,31.561) 7.344,31.561 6.663,30.88 5.95,30.88 4.826,32.004 4.826,36.703 5.715,37.592 25.273,37.592 X404.3@26.67,36.195
  other v1: 82.233,12.7 127,53.086 126.619,53.848 127.381,53.848 127,54.61 126.619,55.372 127.381,55.372